# Altium PCB HIVE_BOARD.PcbDoc (part 4 of 9) (continued)
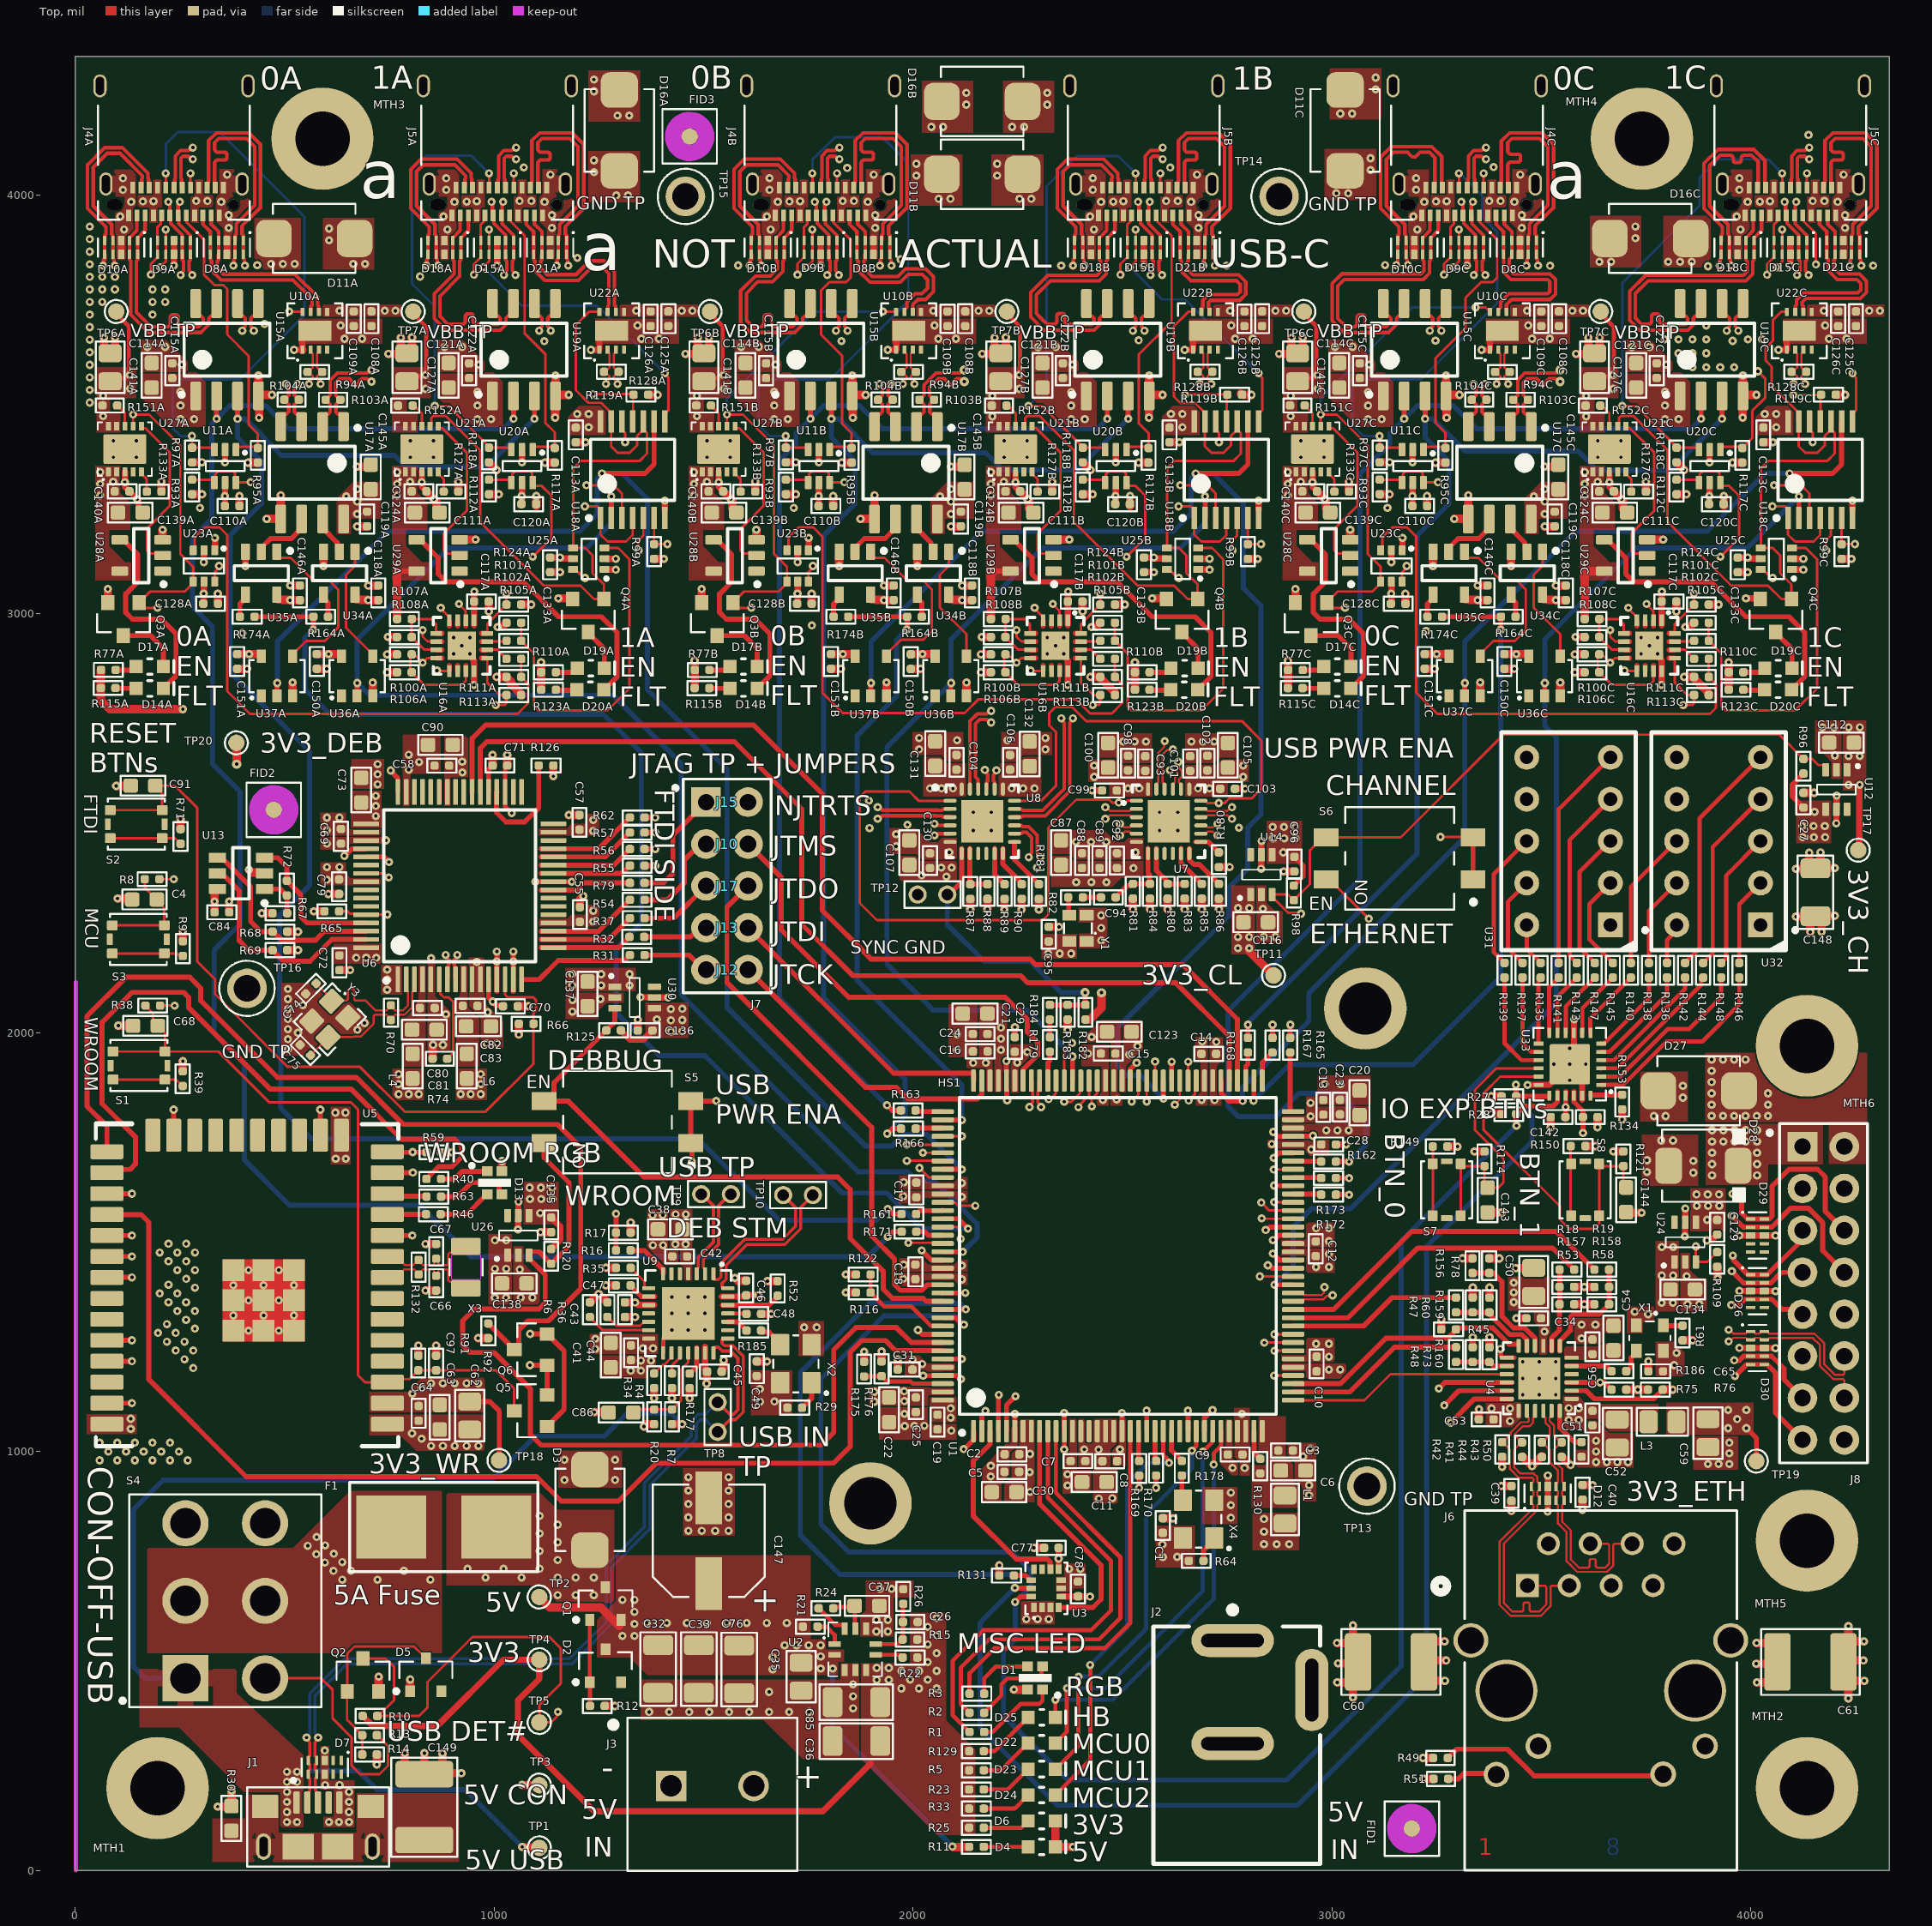
[diagram p0: Top view]
## Nets (pads, with @x,y where several pads share a name; then routed paths per layer and width w, separated by ;. In a path a pad name is that pad's centre, name@x,y a point inside that pad or via, vN(x,y) a via of type N, cw(c..) or ccw(c..) an arc to the next point about the centre after c; other vN are vias at no path point) (continued)
  Signal_1 w6: v1(3224.82,2958.67) 3224.82,3099.84 3204.62,3120.05 3204.62,3172.44 3164.86,3212.2 3164.86,3383.74 3143.59,3405.01 3143.59,3727.79 3224.8,3809 v1(3267.62,3809)
  Signal_2 w6: v1(3224.82,2958.67) 3258.16,2925.33 3585.62,2925.33 3646.53,2864.42 v1(3698.27,2864.42) 3698.27,2937.16 3855.9,3094.8 3855.9,3167.19 3881.14,3192.43 4221.9,3192.43 v1(4248.32,3166)
BB_RESET_1A: D15A.5 D15A.6 J5A.A8 R119A.2 U16A.2 U18A.11 | length 1497.8
  Top w6: v1@915.74,3023.2 932.33,3006.61 932.33,2984.98 U16A.2@932.82,2984.5 ; v1@954.66,3809 v1@954.66,3803.34 ; v1@956,3802.01 v1@954.66,3803.34 ; J5A.A8@978.34,3950.38 976.68,3948.73 976.68,3937.06 968.49,3928.87 D15A.5@968.5,3890.45 D15A.6@968.5,3857.58 968.5,3850.39 967.57,3849.46 966.99,3849.46 952,3834.46 v1(952,3809) 952,3806.01 v1@954.66,3803.34 ; v1(1236.7,3524.11) 1326.07,3524.11 1328.19,3522 1330.97,3524.78 R119A.2@1333.01,3522.73 1331.96,3521.68 1331.96,3459.71 U18A.11@1330.9,3458.65
  Signal_1 w6: v1(916.41,3023.39) 963.49,3023.39 993.76,3053.66 993.76,3128.21 1281.97,3416.42 1281.97,3478.84 v1(1236.7,3524.11) 1130.13,3630.69 1096.57,3630.69 952,3775.25 v1(952,3809)
BB_RESET_1B: D15B.5 D15B.6 J5B.A8 R119B.2 U16B.2 U18B.11 | length 1589.9
  Top w6: v1@2333.07,3023.2 2349.65,3006.61 2349.65,2984.98 U16B.2@2350.14,2984.5 ; v1@2497.97,3809.01 v1@2497.97,3803.36 ; v1@2499.31,3802.02 v1@2497.97,3803.36 ; J5B.A8@2521.65,3950.4 2519.99,3948.74 2519.99,3937.08 2511.8,3928.88 D15B.5@2511.81,3890.45 2511.81,3850.41 2510.88,3849.47 2510.3,3849.47 2495.31,3834.48 v1(2495.31,3809.01) 2495.31,3806.02 v1@2497.97,3803.36 ; v1(2649,3523) 2744.51,3523 2745.51,3522 2748.29,3524.78 R119B.2@2750.34,3522.73 2749.28,3521.68 2749.28,3459.71 U18B.11@2748.22,3458.65
  Signal_1 w6: v1(2333.73,3023.39) 2379.12,3023.39 2421.31,3065.58 2421.31,3157.53 2484.34,3220.56 2671.63,3220.56 2751.74,3300.67 2751.74,3420.26 v1(2649,3523) 2541.31,3630.69 2529,3630.69 2505.64,3654.04 2505.64,3798.66 v1@2495.31,3808.99
BB_RESET_1C: D15C.5 D15C.6 J5C.A8 R119C.2 U16C.2 U18C.11 | length 1871
  Top w6: v1@3750.39,3023.2 3766.98,3006.61 3766.98,2984.98 U16C.2@3767.46,2984.5 ; v1@4041.29,3809 v1@4041.29,3803.35 ; v1@4042.62,3802.01 v1@4041.29,3803.35 ; J5C.A8@4064.96,3950.39 4063.3,3948.73 4063.3,3937.07 4055.11,3928.88 D15C.5@4055.12,3890.45 4055.12,3850.4 4054.19,3849.46 4053.61,3849.46 4038.62,3834.47 v1(4038.62,3809) 4038.62,3806.01 v1@4041.29,3803.35 ; v1(4101.65,3522) 4162.83,3522 4165.61,3524.78 R119C.2@4167.66,3522.73 4166.6,3521.68 4166.6,3459.71 U18C.11@4165.54,3458.65
  Signal_1 w6: v1(3751.06,3023.39) 3751.06,3050.61 3884.72,3184.27 4101.65,3401.2 v1(4101.65,3522) 4061.33,3522 4032.33,3551 3779.32,3551 3736.78,3593.54 3736.78,3647.42 3877.36,3788 3877.36,3836.88 3892.63,3852.15 3995.48,3852.15 v1(4038.62,3809)
BB_SPI_CLK_0A_N: D8A.1 D8A.10 J4A.B10 U15A.5 | length 816
  Top w8.5: J4A.B10@314.95,4017.31 316.61,4018.97 316.61,4029.8 318.63,4031.82 318.63,4128.92 337.54,4147.84 415.01,4147.84 442.53,4120.31 442.53,3969.11 398.48,3925.06 398.48,3906.26 401.57,3903.17 D8A.1@401.57,3890.45 D8A.10@401.57,3857.58 401.57,3847.45 404.36,3844.66 404.36,3832.1 v1(405.56,3830.91) ; v1(426.65,3675.54) 426.65,3679.1 419.57,3686.18 419.57,3705.07 424.55,3710.05 429.28,3710.05 437.82,3718.6 U15A.5@437.82,3740.25
  Signal_1 w5: v1(405.56,3830.91) 405.56,3829.21 396.98,3820.63 396.98,3769.02 418.07,3747.93 418.07,3685.81 426.65,3677.24 v1(426.65,3675.54)
BB_SPI_CLK_0A_P: D8A.2 D8A.9 J4A.B11 U15A.6 | length 816
  Top w8.5: J4A.B11@334.64,4017.31 332.98,4018.97 332.98,4051.64 332.98,4074.39 cw(c341.48,4074.39) 341.48,4082.89 356.65,4082.89 ccw(c356.65,4088.44) 362.2,4088.44 362.2,4095.84 ccw(c356.65,4095.84) 356.65,4101.39 341.48,4101.39 cw(c341.48,4109.89) 332.98,4109.89 332.98,4124.19 343.13,4134.34 409.42,4134.34 429.03,4114.72 429.03,3974.7 384.98,3930.66 384.98,3906.26 382.2,3903.48 D8A.2@382.2,3890.77 ; v1(377.91,3830.91) 379.1,3832.1 379.1,3844.66 381.89,3847.45 D8A.9@381.89,3857.58 D8A.2@381.89,3890.45 ; U15A.6@387.82,3740.25 387.82,3718.6 396.37,3710.05 401.09,3710.05 406.07,3705.07 406.07,3686.18 399,3679.1 v1(399,3675.54)
  Signal_1 w5: v1(377.91,3830.91) 377.91,3829.21 386.48,3820.63 386.48,3764.67 407.57,3743.58 407.57,3685.81 399,3677.24 v1(399,3675.54)
BB_SPI_CLK_0B_N: D8B.1 D8B.10 J4B.B10 U15B.5 | length 850.8
  Top w8.5: v1(1843.97,3675.54) 1843.97,3679.1 1836.9,3686.18 1836.9,3705.07 1841.88,3710.05 1846.6,3710.05 1855.15,3718.6 U15B.5@1855.15,3740.25 ; J4B.B10@1858.26,4017.33 1859.92,4018.98 1859.92,4029.82 1861.94,4031.84 1861.94,4128.94 1880.85,4147.85 1958.32,4147.85 1985.84,4120.33 1985.84,3969.12 1941.79,3925.08 1941.79,3906.27 1944.88,3903.18 D8B.1@1944.88,3890.45 1944.88,3847.46 1947.67,3844.68 1947.67,3832.12 v1@1948.87,3830.92
  Signal_1 w5: v1(1843.97,3675.54) 1843.97,3677.24 1835.4,3685.81 1835.4,3696.54 1940.29,3801.44 1940.29,3820.65 1948.87,3829.23 v1(1948.87,3830.92)
BB_SPI_CLK_0B_P: D8B.2 D8B.9 J4B.B11 U15B.6 | length 850.8
  Top w8.5: U15B.6@1805.15,3740.25 1805.15,3718.6 1813.69,3710.05 1818.42,3710.05 1823.4,3705.07 1823.4,3686.18 1816.32,3679.1 v1(1816.32,3675.54) ; J4B.B11@1877.95,4017.33 1876.29,4018.98 1876.29,4051.66 1876.29,4074.41 cw(c1884.79,4074.41) 1884.79,4082.91 1899.96,4082.91 ccw(c1899.96,4088.46) 1905.51,4088.46 1905.51,4095.86 ccw(c1899.96,4095.86) 1899.96,4101.41 1884.79,4101.41 cw(c1884.79,4109.91) 1876.29,4109.91 1876.29,4124.2 1886.44,4134.35 1952.73,4134.35 1972.34,4114.74 1972.34,3974.71 1928.29,3930.67 1928.29,3906.27 1925.51,3903.49 D8B.2@1925.51,3890.78 ; v1(1921.22,3830.92) 1922.41,3832.12 1922.41,3844.68 1925.2,3847.46 D8B.2@1925.2,3890.45
  Signal_1 w5: v1(1816.32,3675.54) 1816.32,3677.24 1824.9,3685.81 1824.9,3700.89 1929.79,3805.79 1929.79,3820.65 1921.22,3829.23 v1(1921.22,3830.92)
BB_SPI_CLK_0C_N: D8C.1 D8C.10 J4C.B10 U15C.5 | length 974.5
  Top w8.5: v1(3261.3,3675.54) 3261.3,3679.1 3254.22,3686.18 3254.22,3705.07 3259.2,3710.05 3263.92,3710.05 3272.47,3718.6 U15C.5@3272.47,3740.25 ; J4C.B10@3401.57,4017.32 3403.23,4018.97 3403.23,4030.76 3404.3,4031.83 3404.3,4127.98 3424.16,4147.84 3501.63,4147.84 3529.15,4120.32 3529.15,3969.11 3485.1,3925.07 3485.1,3906.26 3488.2,3903.17 D8C.1@3488.19,3890.45 D8C.10@3488.19,3857.58 3488.2,3847.45 3490.98,3844.67 3490.98,3832.11 v1(3492.18,3830.91)
  Signal_1 w5: v1(3261.3,3675.54) 3261.3,3677.24 3252.72,3685.81 3252.72,3691.49 3255.65,3694.42 3377.81,3694.42 3483.6,3800.21 3483.6,3820.64 3492.18,3829.22 v1(3492.18,3830.91)
BB_SPI_CLK_0C_P: D8C.2 D8C.9 J4C.B11 U15C.6 | length 977.2
  Top w8.5: U15C.6@3222.47,3740.25 3222.47,3718.6 3231.01,3710.05 3235.74,3710.05 3240.72,3705.07 3240.72,3686.18 3233.64,3679.1 v1(3233.64,3675.54) ; J4C.B11@3421.26,4017.32 3419.6,4018.97 3419.6,4046.97 3419.6,4069.72 cw(c3428.1,4069.72) 3428.1,4078.22 3444.61,4078.22 ccw(c3444.61,4083.77) 3450.16,4083.77 3450.16,4091.17 ccw(c3444.61,4091.17) 3444.61,4096.72 3428.1,4096.72 cw(c3428.1,4105.22) 3419.6,4105.22 3419.6,4124.19 3429.75,4134.34 3496.04,4134.34 3515.65,4114.73 3515.65,3974.7 3471.6,3930.66 3471.6,3906.26 3468.82,3903.48 D8C.2@3468.82,3890.77 ; v1(3464.53,3830.91) 3465.72,3832.11 3465.72,3844.67 3468.51,3847.45 D8C.9@3468.5,3857.58 D8C.2@3468.5,3890.45
  Signal_1 w5: v1(3233.64,3675.54) 3233.64,3677.24 3242.22,3685.81 3242.22,3695.84 3251.3,3704.92 3373.46,3704.92 3473.1,3804.56 3473.1,3820.64 3464.53,3829.22 v1(3464.53,3830.91)
BB_SPI_CLK_1A_N: D21A.1 D21A.10 J5A.B10 U19A.5 | length 824.6
  Top w8.5: J5A.B10@1086.61,4017.31 1088.26,4018.97 1088.26,4029.8 1090.28,4031.82 1090.28,4128.92 1109.19,4147.84 1186.66,4147.84 1214.18,4120.31 1214.18,3967.53 1170.14,3923.48 1170.14,3906.26 1173.23,3903.17 D21A.1@1173.23,3890.45 D21A.10@1173.23,3857.58 1173.23,3847.45 1176.02,3844.66 1176.02,3832.1 v1(1177.21,3830.91) ; v1(1135.31,3675.54) 1135.31,3679.1 1128.24,3686.18 1128.24,3705.07 1133.21,3710.05 1137.94,3710.05 1146.49,3718.6 U19A.5@1146.49,3740.25
  Signal_1 w5: v1(1135.31,3675.54) 1135.31,3677.24 1126.74,3685.81 1126.74,3701.97 1168.64,3743.88 1168.64,3820.63 1177.21,3829.21 v1(1177.21,3830.91)
BB_SPI_CLK_1A_P: D21A.2 D21A.9 J5A.B11 U19A.6 | length 824.6
  Top w8.5: U19A.6@1096.49,3740.25 1096.49,3718.6 1105.03,3710.05 1109.76,3710.05 1114.74,3705.07 1114.74,3686.18 1107.66,3679.1 v1(1107.66,3675.54) ; J5A.B11@1106.29,4017.31 1104.64,4018.97 1104.64,4051.64 1104.64,4074.39 cw(c1113.14,4074.39) 1113.14,4082.89 1128.3,4082.89 ccw(c1128.3,4088.44) 1133.85,4088.44 1133.85,4095.84 ccw(c1128.3,4095.84) 1128.3,4101.39 1113.14,4101.39 cw(c1113.14,4109.89) 1104.64,4109.89 1104.64,4124.19 1114.78,4134.34 1181.07,4134.34 1200.68,4114.72 1200.68,3973.12 1156.64,3929.07 1156.64,3906.26 1153.86,3903.48 D21A.2@1153.86,3890.77 ; v1(1149.56,3830.91) 1150.76,3832.1 1150.76,3844.66 1153.54,3847.45 D21A.9@1153.54,3857.58 D21A.2@1153.54,3890.45
  Signal_1 w5: v1(1107.66,3675.54) 1107.66,3677.24 1116.24,3685.81 1116.24,3706.32 1158.14,3748.23 1158.14,3820.63 1149.56,3829.21 v1(1149.56,3830.91)
BB_SPI_CLK_1B_N: D21B.1 D21B.10 J5B.B10 U19B.5 | length 905.4
  Top w8.5: v1(2552.63,3675.54) 2552.63,3679.1 2545.56,3686.18 2545.56,3705.07 2550.54,3710.05 2555.26,3710.05 2563.81,3718.6 U19B.5@2563.81,3740.25 ; J5B.B10@2629.92,4017.33 2631.57,4018.98 2631.57,4029.82 2633.59,4031.84 2633.59,4128.94 2652.5,4147.85 2729.97,4147.85 2757.49,4120.33 2757.49,3967.54 2713.45,3923.49 2713.45,3906.27 2716.54,3903.18 2716.54,3847.46 2719.33,3844.68 2719.33,3832.12 v1(2720.52,3830.92)
  Signal_1 w5: v1(2552.63,3675.54) 2552.63,3677.24 2544.06,3685.81 2544.06,3691.49 2601.19,3748.62 2649.94,3748.62 2711.95,3810.62 2711.95,3820.65 2720.52,3829.23 v1(2720.52,3830.92)
BB_SPI_CLK_1B_P: D21B.2 D21B.9 J5B.B11 U19B.6 | length 905.4
  Top w8.5: U19B.6@2513.81,3740.25 2513.81,3718.6 2522.35,3710.05 2527.08,3710.05 2532.06,3705.07 2532.06,3686.18 2524.98,3679.1 v1(2524.98,3675.54) ; J5B.B11@2649.6,4017.33 2647.95,4018.98 2647.95,4051.66 2647.95,4074.41 cw(c2656.45,4074.41) 2656.45,4082.91 2671.61,4082.91 ccw(c2671.61,4088.46) 2677.16,4088.46 2677.16,4095.86 ccw(c2671.61,4095.86) 2671.61,4101.41 2656.45,4101.41 cw(c2656.45,4109.91) 2647.95,4109.91 2647.95,4124.2 2658.09,4134.35 2724.38,4134.35 2743.99,4114.74 2743.99,3973.13 2699.95,3929.09 2699.95,3906.27 2697.17,3903.49 D21B.2@2697.17,3890.78 ; v1(2692.87,3830.92) 2694.07,3832.12 2694.07,3844.68 2696.85,3847.46 D21B.2@2696.85,3890.45
  Signal_1 w5: v1(2524.98,3675.54) 2524.98,3677.24 2533.56,3685.81 2533.56,3695.84 2596.84,3759.12 2645.59,3759.12 2701.45,3814.97 2701.45,3820.65 2692.87,3829.23 v1(2692.87,3830.92)
BB_SPI_CLK_1C_N: D21C.1 D21C.10 J5C.B10 U19C.5 | length 1031.4
  Top w8.5: v1(3969.96,3675.54) 3969.96,3679.1 3962.88,3686.18 3962.88,3705.07 3967.86,3710.05 3972.59,3710.05 3981.13,3718.6 U19C.5@3981.13,3740.25 ; J5C.B10@4173.23,4017.32 4174.88,4018.97 4174.88,4029.81 4176.9,4031.83 4176.9,4128.93 4195.81,4147.84 4273.28,4147.84 4300.8,4120.32 4300.8,3967.53 4256.76,3923.48 4256.76,3906.26 4259.85,3903.17 4259.85,3847.45 4262.64,3844.67 4262.64,3832.11 v1(4263.83,3830.91)
  Signal_1 w5: v1(3969.96,3675.54) 3969.96,3677.24 3961.38,3685.81 3961.38,3691.49 3964.31,3694.42 4087.54,3694.42 4189.83,3796.71 4241.36,3796.71 4255.26,3810.61 4255.26,3820.64 4263.83,3829.22 v1(4263.83,3830.91)
BB_SPI_CLK_1C_P: D21C.2 D21C.9 J5C.B11 U19C.6 | length 1031.4
  Top w8.5: U19C.6@3931.13,3740.25 3931.13,3718.6 3939.68,3710.05 3944.4,3710.05 3949.38,3705.07 3949.38,3686.18 3942.3,3679.1 v1(3942.3,3675.54) ; J5C.B11@4192.91,4017.32 4191.26,4018.97 4191.26,4051.65 4191.26,4074.4 cw(c4199.76,4074.4) 4199.76,4082.9 4214.92,4082.9 ccw(c4214.92,4088.45) 4220.47,4088.45 4220.47,4095.85 ccw(c4214.92,4095.85) 4214.92,4101.4 4199.76,4101.4 cw(c4199.76,4109.9) 4191.26,4109.9 4191.26,4124.19 4201.4,4134.34 4267.69,4134.34 4287.3,4114.73 4287.3,3973.12 4243.26,3929.08 4243.26,3906.26 4240.48,3903.48 D21C.2@4240.48,3890.77 ; v1(4236.18,3830.91) 4237.38,3832.11 4237.38,3844.67 4240.16,3847.45 D21C.2@4240.16,3890.45
  Signal_1 w5: v1(3942.3,3675.54) 3942.3,3677.24 3950.88,3685.81 3950.88,3695.84 3959.96,3704.92 4083.19,3704.92 4185.48,3807.21 4237.01,3807.21 4244.76,3814.96 4244.76,3820.64 4236.18,3829.22 v1(4236.18,3830.91)
BB_SPI_MISO_0A_N: D9A.2 D9A.9 J4A.A7 J4A.B7 R104A.1 U17A.4 | length 1320.6
  Top w8.5: v1(222.39,3983) 222.39,3979.44 226.37,3975.46 J4A.A7@226.37,3950.38 227.97,3948.78 227.97,3931.27 255.58,3903.66 255.58,3890.77 D9A.2@255.89,3890.45 D9A.9@255.89,3857.58 256.21,3857.27 256.21,3844.55 258.99,3841.77 258.99,3828.11 258.99,3818.87 251.91,3811.79 v1(251.91,3808.23) ; J4A.B7@255.9,4017.31 254.24,4018.97 254.24,4037 252.8,4038.44 252.8,4077.77 252.62,4077.95 252.62,4086.91 257.6,4091.89 270.54,4091.89 277.61,4084.81 v1(281.17,4084.81) ; U17A.4@490.94,3446.52 490.94,3468.18 499.48,3476.72 504.21,3476.72 510.02,3482.53 510.02,3500.07 R104A.1@499.27,3510.8 510.02,3521.53 510.02,3538.05 502.94,3545.13 v1(502.94,3548.69)
  Signal_1 w5: v1(222.39,3983) 222.39,3984.69 230.96,3993.27 230.96,4024.46 238.5,4032 238.5,4198.32 249.72,4209.54 311.69,4209.54 321.5,4199.73 321.5,4113.42 301.47,4093.39 291.44,4093.39 282.87,4084.81 v1(281.17,4084.81) ; v1(251.91,3808.23) 251.91,3806.54 260.49,3797.96 260.49,3687.75 320.02,3628.22 449.33,3628.22 511.52,3566.03 511.52,3559.95 502.94,3551.37 v1(502.94,3548.69)
BB_SPI_MISO_0A_P: D9A.1 D9A.10 J4A.A6 J4A.B6 R104A.2 U17A.3 | length 1320.6
  Top w8.5: J4A.B6@236.21,4017.31 237.87,4018.97 237.87,4037 239.3,4038.44 239.3,4066.69 239.12,4066.88 239.12,4092.5 252,4105.39 270.54,4105.39 277.61,4112.47 v1(281.17,4112.47) ; v1(250.04,3983) 250.04,3979.44 246.05,3975.46 J4A.A6@246.05,3950.38 247.69,3948.74 247.69,3930.63 275.58,3902.75 D9A.1@275.58,3890.45 D9A.10@275.58,3857.58 275.27,3857.27 275.27,3844.55 272.49,3841.77 272.49,3833.71 272.49,3818.87 v1@279.56,3811.79 ; v1(530.6,3548.69) 530.6,3545.13 523.52,3538.05 523.52,3521.53 534.25,3510.8 523.52,3500.07 523.52,3481.7 528.5,3476.72 532.39,3476.72 540.94,3468.18 U17A.3@540.94,3446.52
  Signal_1 w5: v1(250.04,3983) 250.04,3984.69 241.46,3993.27 241.46,4020.11 249,4027.65 249,4193.97 254.07,4199.04 307.34,4199.04 311,4195.38 311,4173.82 311,4156.32 cw(c306,4156.32) 306,4151.32 294.15,4151.32 ccw(c294.15,4146.82) 289.65,4146.82 289.65,4140.82 ccw(c294.15,4140.82) 294.15,4136.32 306,4136.32 cw(c306,4131.32) 311,4131.32 311,4117.77 297.12,4103.89 291.44,4103.89 282.87,4112.47 v1(281.17,4112.47) ; v1(279.56,3808.23) 279.56,3806.54 270.99,3797.96 270.99,3692.1 324.37,3638.72 453.68,3638.72 522.02,3570.38 522.02,3558.96 530.6,3550.39 v1(530.6,3548.69)
BB_SPI_MISO_0B_N: D9B.2 D9B.9 J4B.A7 J4B.B7 R104B.1 U17B.4 | length 1227.6
  Top w8.5: v1(1765.7,3983.01) 1765.7,3979.46 1769.68,3975.47 J4B.A7@1769.68,3950.4 1771.28,3948.8 1771.28,3931.28 1798.89,3903.67 1798.89,3890.78 D9B.2@1799.21,3890.45 1799.2,3857.59 1799.52,3857.28 1799.52,3844.57 1802.3,3841.79 1802.3,3828.13 1802.3,3818.88 1795.22,3811.81 v1(1795.22,3808.25) ; J4B.B7@1799.21,4017.33 1797.55,4018.98 1797.55,4037.01 1796.12,4038.45 1796.12,4077.78 1795.93,4077.97 1795.93,4086.93 1800.91,4091.91 1813.85,4091.91 1820.92,4084.83 v1(1824.48,4084.83) ; U17B.4@1908.26,3446.52 1908.26,3468.18 1916.81,3476.72 1921.53,3476.72 1927.34,3482.53 1927.34,3500.07 R104B.1@1916.59,3510.8 1927.34,3521.53 1927.34,3538.05 1920.27,3545.13 v1(1920.27,3548.69)
  Signal_1 w5: v1(1765.7,3983.01) 1765.7,3984.71 1774.27,3993.29 1774.27,4024.48 1781.81,4032.01 1781.81,4178.47 1801.34,4198 1845,4198 1864.81,4178.19 1864.81,4113.44 1844.78,4093.41 1834.75,4093.41 1826.18,4084.83 v1(1824.48,4084.83) ; v1(1795.22,3808.25) 1795.22,3806.55 1803.8,3797.98 1803.8,3762.46 1765,3723.67 1765,3667.38 1812.2,3620.19 1874.69,3620.19 1928.84,3566.03 1928.84,3559.95 1920.27,3551.37 v1(1920.27,3548.69)
BB_SPI_MISO_0B_P: D9B.1 D9B.10 J4B.A6 J4B.B6 R104B.2 U17B.3 | length 1227.6
  Top w8.5: J4B.B6@1779.52,4017.33 1781.18,4018.98 1781.18,4037.01 1782.62,4038.45 1782.62,4066.71 1782.43,4066.89 1782.43,4092.52 1795.31,4105.41 1813.85,4105.41 1820.92,4112.48 v1(1824.48,4112.48) ; v1(1793.35,3983.01) 1793.35,3979.46 1789.37,3975.47 J4B.A6@1789.37,3950.4 1791,3948.76 1791,3930.65 1818.89,3902.76 D9B.1@1818.9,3890.45 1818.89,3857.59 1818.58,3857.28 1818.58,3844.57 1815.8,3841.79 1815.8,3833.72 1815.8,3818.88 v1@1822.87,3811.81 ; v1(1947.92,3548.69) 1947.92,3545.13 1940.84,3538.05 1940.84,3521.53 R104B.2@1951.59,3510.8 1940.84,3500.07 1940.84,3481.7 1945.82,3476.72 1949.72,3476.72 1958.26,3468.18 U17B.3@1958.26,3446.52
  Signal_1 w5: v1(1793.35,3983.01) 1793.35,3984.71 1784.77,3993.29 1784.77,4020.13 1792.31,4027.67 1792.31,4174.12 1805.69,4187.5 1840.65,4187.5 1854.31,4173.84 1854.31,4156.34 cw(c1849.31,4156.34) 1849.31,4151.34 1837.46,4151.34 ccw(c1837.46,4146.84) 1832.96,4146.84 1832.96,4140.84 ccw(c1837.46,4140.84) 1837.46,4136.34 1849.31,4136.34 cw(c1849.31,4131.34) 1854.31,4131.34 1854.31,4117.79 1840.43,4103.91 1834.75,4103.91 1826.18,4112.48 v1(1824.48,4112.48) ; v1(1822.87,3808.25) 1822.87,3806.55 1814.3,3797.98 1814.3,3758.11 1775.5,3719.32 1775.5,3671.73 1816.55,3630.69 1879.04,3630.69 1939.34,3570.38 1939.34,3559.95 1947.92,3551.37 v1(1947.92,3548.69)
BB_SPI_MISO_0C_N: D9C.2 D9C.9 J4C.A7 J4C.B7 R104C.1 U17C.4 | length 1358
  Top w8.5: v1(3309.01,3983) 3309.01,3979.45 3312.99,3975.46 J4C.A7@3312.99,3950.39 3314.59,3948.79 3314.59,3931.27 3342.2,3903.66 3342.2,3890.77 D9C.2@3342.52,3890.45 D9C.9@3342.52,3857.58 3342.83,3857.27 3342.83,3844.56 3345.61,3841.78 3345.61,3828.12 3345.61,3818.87 3338.53,3811.8 v1(3338.53,3808.24) ; U17C.4@3325.58,3446.52 3325.58,3468.18 3334.13,3476.72 3338.85,3476.72 3344.66,3482.53 3344.66,3500.07 R104C.1@3333.91,3510.8 3344.66,3521.53 3344.66,3538.05 3337.59,3545.13 v1(3337.59,3548.69) ; J4C.B7@3342.52,4017.32 3340.86,4018.97 3340.86,4037 3339.43,4038.44 3339.43,4077.77 3339.24,4077.96 3339.24,4086.92 3344.22,4091.9 3357.16,4091.9 3364.23,4084.82 v1(3367.79,4084.82)
  Signal_1 w5: v1(3309.01,3983) 3309.01,3984.7 3317.58,3993.28 3317.58,4024.47 3325.12,4032 3325.12,4198.33 3336.34,4209.55 3398.31,4209.55 3408.12,4199.73 3408.12,4113.43 3388.09,4093.4 3378.06,4093.4 3369.49,4084.82 v1(3367.79,4084.82) ; v1(3337.59,3548.69) 3337.59,3551.37 3346.16,3559.95 3346.16,3566.03 3297.01,3615.18 3224.31,3615.18 3193.75,3645.74 3193.75,3720.58 3233.32,3760.15 3314.97,3760.15 3347.11,3792.29 3347.11,3797.97 3338.53,3806.54 v1(3338.53,3808.24)
BB_SPI_MISO_0C_P: D9C.1 D9C.10 J4C.A6 J4C.B6 R104C.2 U17C.3 | length 1358
  Top w8.5: J4C.B6@3322.83,4017.32 3324.49,4018.97 3324.49,4037 3325.93,4038.44 3325.93,4066.7 3325.74,4066.88 3325.74,4092.51 3338.62,4105.4 3357.16,4105.4 3364.23,4112.47 v1(3367.79,4112.47) ; v1(3336.66,3983) 3336.66,3979.45 3332.68,3975.46 J4C.A6@3332.68,3950.39 3334.31,3948.75 3334.31,3930.64 3362.2,3902.75 D9C.10@3362.2,3857.58 3361.89,3857.27 3361.89,3844.56 3359.11,3841.78 3359.11,3833.71 3359.11,3818.87 v1@3366.18,3811.8 ; v1(3365.24,3548.69) 3365.24,3545.13 3358.16,3538.05 3358.16,3521.53 R104C.2@3368.91,3510.8 3358.16,3500.07 3358.16,3481.7 3363.14,3476.72 3367.04,3476.72 3375.58,3468.18 U17C.3@3375.58,3446.52
  Signal_1 w5: v1(3336.66,3983) 3336.66,3984.7 3328.08,3993.28 3328.08,4020.12 3335.62,4027.66 3335.62,4193.98 3340.69,4199.05 3393.96,4199.05 3397.62,4195.38 3397.62,4177.81 3397.62,4160.31 cw(c3392.62,4160.31) 3392.62,4155.31 3380.77,4155.31 ccw(c3380.77,4150.81) 3376.27,4150.81 3376.27,4144.81 ccw(c3380.77,4144.81) 3380.77,4140.31 3392.62,4140.31 cw(c3392.62,4135.31) 3397.62,4135.31 3397.62,4117.78 3383.74,4103.9 3378.06,4103.9 3369.49,4112.47 v1(3367.79,4112.47) ; v1(3365.24,3548.69) 3365.24,3551.37 3356.66,3559.95 3356.66,3570.38 3301.36,3625.68 3228.66,3625.68 3204.25,3650.09 3204.25,3716.23 3237.67,3749.65 3319.31,3749.65 3357.61,3787.94 3357.61,3797.97 3366.18,3806.54 v1(3366.18,3808.24)
BB_SPI_MISO_1A_N: D15A.2 D15A.9 J5A.A7 J5A.B7 R103A.2 U17A.1 | length 1611.1
  Top w8.5: R103A.2@633.27,3510.44 622.69,3499.86 622.69,3481.7 627.67,3476.72 632.39,3476.72 640.94,3468.18 U17A.1@640.94,3446.52 ; R103A.2@633.25,3510.59 622.52,3521.31 622.52,3551.66 631.91,3561.05 654.66,3561.05 660.21,3555.5 660.21,3552.87 665.76,3547.32 673.16,3547.32 678.71,3552.87 678.71,3555.5 684.26,3561.05 697.03,3561.05 704.11,3553.98 v1(707.67,3553.98) ; v1(994.04,3983) 996.37,3980.67 996.37,3952.04 J5A.A7@998.03,3950.38 J5A.A7@999.63,3948.78 ; J5A.A7@999.68,3948.73 J5A.A7@999.63,3948.78 ; v1(1023.57,3808.23) 1023.57,3811.79 1030.64,3818.87 1030.64,3828.11 1030.64,3841.77 1027.86,3844.55 1027.86,3857.27 D15A.9@1027.56,3857.58 ; 1027.55,3844.87 D15A.9@1027.56,3857.58 ; J5A.B7@1027.55,4017.31 1025.9,4018.97 1025.9,4037 1024.46,4038.44 1024.46,4077.77 1024.27,4077.95 1024.27,4086.91 1029.25,4091.89 1042.19,4091.89 1049.27,4084.81 v1(1052.83,4084.81) ; J5A.A7@999.63,3948.78 999.63,3931.27 1027.24,3903.66 1027.24,3890.77 D15A.2@1027.56,3890.45 D15A.9@1027.56,3857.58
  Signal_1 w5: v1(707.67,3553.98) 710.34,3553.98 718.92,3562.55 764.83,3562.55 834.66,3632.38 834.66,3701.08 802.16,3733.58 802.16,3833.42 829.47,3860.73 1009.32,3860.73 1032.14,3837.91 1032.14,3818.5 1023.57,3809.93 v1(1023.57,3808.23) ; v1(994.04,3983) 994.04,3984.69 1002.62,3993.27 1002.62,4024.46 1010.16,4032 1010.16,4172.72 1032.24,4194.8 1076.56,4194.8 1093.16,4178.2 1093.16,4113.42 1073.13,4093.39 1063.1,4093.39 1054.52,4084.81 v1(1052.83,4084.81)
BB_SPI_MISO_1A_P: D15A.1 D15A.10 J5A.A6 J5A.B6 R103A.1 U17A.2 | length 1611.1
  Top w8.5: U17A.2@590.94,3446.52 590.94,3468.18 599.48,3476.72 604.21,3476.72 609.19,3481.7 609.19,3499.69 R103A.1@598.27,3510.59 609.02,3521.31 609.02,3557.25 626.32,3574.55 697.03,3574.55 704.11,3581.63 v1(707.67,3581.63) ; J5A.B6@1007.87,4017.31 1009.52,4018.97 1009.52,4037 1010.96,4038.44 1010.96,4066.69 1010.77,4066.88 1010.77,4092.5 1023.66,4105.39 1042.19,4105.39 1049.27,4112.47 v1(1052.83,4112.47) ; v1(1021.69,3983) 1019.37,3980.67 1019.37,3952.04 J5A.A6@1017.71,3950.38 1019.35,3948.74 1019.35,3930.63 1047.23,3902.75 D15A.10@1047.24,3857.58 ; 1047.23,3844.58 D15A.10@1047.24,3857.58 ; v1@1051.22,3811.79 1044.14,3818.87 1044.14,3833.71 1044.14,3841.77 1046.92,3844.55 1046.92,3857.27 D15A.10@1047.24,3857.58
  Signal_1 w5: v1(707.67,3581.63) 710.34,3581.63 718.92,3573.05 760.48,3573.05 824.16,3636.73 824.16,3696.73 791.66,3729.23 791.66,3837.77 825.12,3871.23 1013.67,3871.23 1042.64,3842.26 1042.64,3818.5 1051.22,3809.93 v1(1051.22,3808.23) ; v1(1021.69,3983) 1021.69,3984.69 1013.12,3993.27 1013.12,4020.11 1020.66,4027.65 1020.66,4168.37 1036.59,4184.3 1072.21,4184.3 1082.66,4173.85 1082.66,4156.35 1078.16,4151.85 1078.1,4151.85 1073.6,4147.35 1073.6,4141.35 1078.1,4136.85 1078.16,4136.85 1082.66,4132.35 1082.66,4117.77 1068.78,4103.89 1063.1,4103.89 1054.52,4112.47 v1(1052.83,4112.47)
BB_SPI_MISO_1B_N: D15B.2 D15B.9 J5B.A7 J5B.B7 R103B.2 U17B.1 | length 1674.8
  Top w8.5: R103B.2@2050.59,3510.44 2040.01,3499.86 2040.01,3481.7 2044.99,3476.72 2049.72,3476.72 2058.26,3468.18 U17B.1@2058.26,3446.52 ; R103B.2@2050.59,3510.59 2039.84,3521.31 2039.84,3540.62 2052.17,3552.95 2060.28,3561.05 2074.92,3561.05 2080.47,3555.5 2080.47,3552.87 2086.02,3547.32 2093.42,3547.32 2098.97,3552.87 2098.97,3555.5 2104.52,3561.05 2111.97,3561.05 2119.04,3553.98 v3(2122.6,3553.98) ; v1(2537.35,3983.01) 2539.68,3980.69 2539.68,3952.05 J5B.A7@2541.34,3950.4 J5B.A7@2542.94,3948.8 ; J5B.A7@2542.99,3948.74 J5B.A7@2542.94,3948.8 ; v1(2566.88,3808.25) 2566.88,3811.81 2573.95,3818.88 2573.95,3828.13 2573.95,3841.79 2571.17,3844.57 2571.17,3857.28 D15B.9@2570.86,3857.59 ; 2570.86,3844.88 D15B.9@2570.86,3857.59 ; J5B.B7@2570.86,4017.33 2569.21,4018.98 2569.21,4037.01 2567.77,4038.45 2567.77,4077.78 2567.58,4077.97 2567.58,4086.93 2572.56,4091.91 2585.5,4091.91 2592.58,4084.83 v1(2596.14,4084.83) ; J5B.A7@2542.94,3948.8 2542.94,3931.28 2570.55,3903.67 2570.55,3890.78 D15B.2@2570.87,3890.45 D15B.9@2570.86,3857.59
  Signal_1 w5: v3(2122.6,3553.98) 2125.28,3553.98 2133.86,3562.55 2144.29,3562.55 2194.01,3562.55 2258.53,3627.07 2258.53,3766.1 2380.24,3887.81 2532.44,3887.81 2575.45,3844.8 2575.45,3818.52 2566.88,3809.94 v1(2566.88,3808.25) ; v1(2537.35,3983.01) 2537.35,3984.71 2545.93,3993.29 2545.93,4024.48 2553.47,4032.01 2553.47,4172.73 2575.55,4194.81 2619.87,4194.81 2636.47,4178.22 2636.47,4113.44 2616.44,4093.41 2606.41,4093.41 2597.83,4084.83 v1(2596.14,4084.83)
BB_SPI_MISO_1B_P: D15B.1 D15B.10 J5B.A6 J5B.B6 R103B.1 U17B.2 | length 1674.8
  Top w8.5: U17B.2@2008.26,3446.52 2008.26,3468.18 2016.81,3476.72 2021.53,3476.72 2026.51,3481.7 2026.51,3499.69 R103B.1@2015.59,3510.59 2026.34,3521.31 2026.34,3546.21 2054.68,3574.55 2111.97,3574.55 2119.04,3581.63 v3(2122.6,3581.63) ; J5B.B6@2551.18,4017.33 2552.83,4018.98 2552.83,4037.01 2554.27,4038.45 2554.27,4066.71 2554.08,4066.89 2554.08,4092.52 2566.97,4105.41 2585.5,4105.41 2592.58,4112.48 v1(2596.14,4112.48) ; v1(2565,3983.01) 2562.68,3980.69 2562.68,3952.05 J5B.A6@2561.02,3950.4 2562.66,3948.76 2562.66,3930.65 2590.54,3902.76 D15B.10@2590.54,3857.59 ; 2590.54,3844.59 D15B.10@2590.54,3857.59 ; v1@2594.53,3811.81 2587.45,3818.88 2587.45,3833.72 2587.45,3841.79 2590.23,3844.57 2590.23,3857.28 D15B.10@2590.54,3857.59
  Signal_1 w5: v3(2122.6,3581.63) 2125.28,3581.63 2133.86,3573.05 2189.66,3573.05 2248.03,3631.42 2248.03,3770.45 2375.89,3898.31 2536.79,3898.31 2585.95,3849.15 2585.95,3818.52 2594.53,3809.94 v1(2594.53,3808.25) ; v1(2565,3983.01) 2565,3984.71 2556.43,3993.29 2556.43,4020.13 2563.97,4027.67 2563.97,4168.38 2579.9,4184.31 2615.52,4184.31 2625.97,4173.87 2625.97,4156.37 2621.47,4151.87 2621.41,4151.87 2616.91,4147.37 2616.91,4141.37 2621.41,4136.87 2621.47,4136.87 2625.97,4132.37 2625.97,4117.79 2612.09,4103.91 2606.41,4103.91 2597.83,4112.48 v1(2596.14,4112.48)
BB_SPI_MISO_1C_N: D15C.2 D15C.9 J5C.A7 J5C.B7 R103C.2 U17C.1 | length 1809
  Top w8.5: R103C.2@3467.91,3510.44 3457.33,3499.86 3457.33,3481.7 3462.31,3476.72 3467.04,3476.72 3475.58,3468.18 U17C.1@3475.58,3446.52 ; R103C.2@3467.91,3510.59 3457.16,3521.31 3457.16,3552.13 3466.09,3561.05 3488.84,3561.05 3494.39,3555.5 3494.39,3552.87 3499.94,3547.32 3507.34,3547.32 3512.89,3552.87 3512.89,3555.5 3518.44,3561.05 3522.88,3561.05 3534.27,3561.05 3541.35,3553.98 v3(3544.91,3553.98) ; v1(4080.66,3983) 4082.99,3980.68 4082.99,3952.04 J5C.A7@4084.65,3950.39 J5C.A7@4086.25,3948.79 ; J5C.A7@4086.3,3948.73 J5C.A7@4086.25,3948.79 ; v1(4110.19,3808.24) 4110.19,3811.8 4117.26,3818.87 4117.26,3828.12 4117.26,3841.78 4114.48,3844.56 4114.48,3857.27 D15C.9@4114.17,3857.58 ; 4114.17,3844.87 D15C.9@4114.17,3857.58 ; J5C.B7@4114.17,4017.32 4112.52,4018.97 4112.52,4037 4111.08,4038.44 4111.08,4077.77 4110.89,4077.96 4110.89,4086.92 4115.87,4091.9 4128.81,4091.9 4135.89,4084.82 v1(4139.45,4084.82) ; J5C.A7@4086.25,3948.79 4086.25,3931.27 4113.86,3903.66 4113.86,3890.77 D15C.2@4114.17,3890.45 D15C.9@4114.17,3857.58
  Signal_1 w5: v3(3544.91,3553.98) 3547.59,3553.98 3556.16,3562.55 3604.14,3562.55 3682.31,3640.72 3682.31,3789.34 3768.76,3875.79 4097.79,3875.79 4118.76,3854.82 4118.76,3818.51 4110.19,3809.93 v1(4110.19,3808.24) ; v1(4080.66,3983) 4080.66,3984.7 4089.24,3993.28 4089.24,4024.47 4096.78,4032 4096.78,4172.72 4118.86,4194.8 4163.18,4194.8 4179.78,4178.21 4179.78,4113.43 4159.75,4093.4 4149.72,4093.4 4141.14,4084.82 v1(4139.45,4084.82)